# Altium PCB PCB1.PcbDoc (part 1 of 5)
Units mm, origin at the board's own origin, x right, y up, seen from the top; angles counter-clockwise.
Board outline 183.9 x 124.16 mm, 2 copper layers (Top Layer, Bottom Layer); 299 components, 222 nets, 3052 pads, 94 vias.
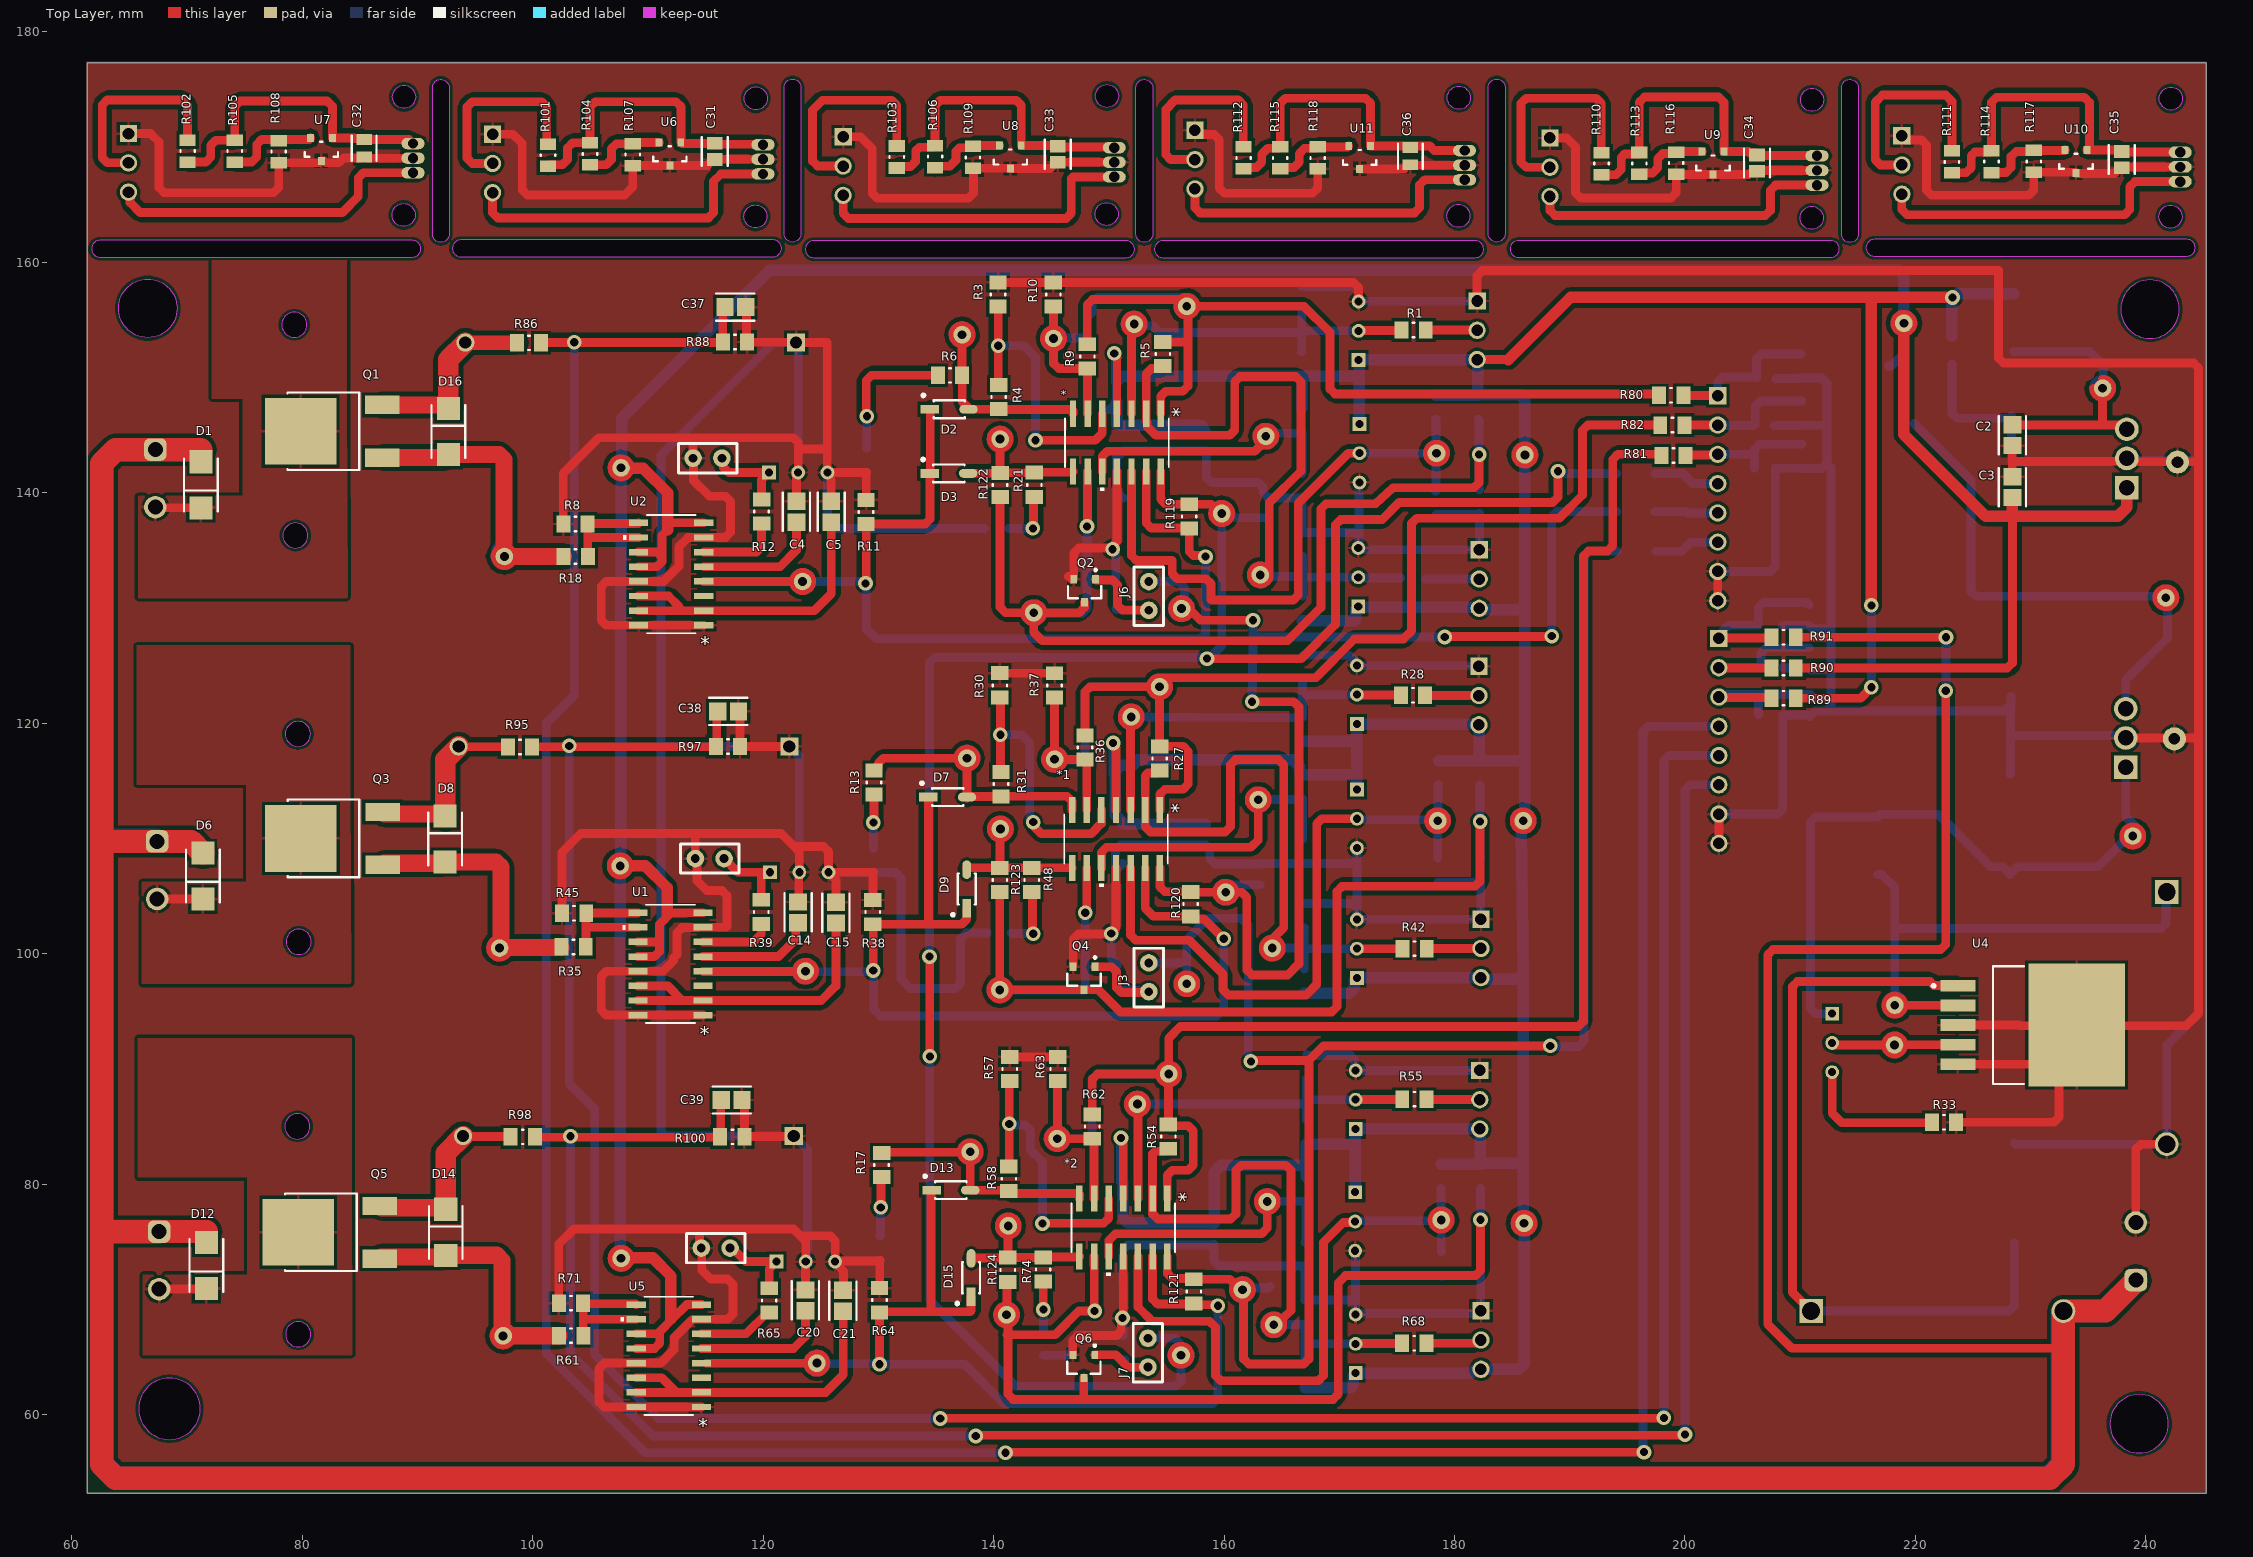
[diagram p0: Top Layer view]
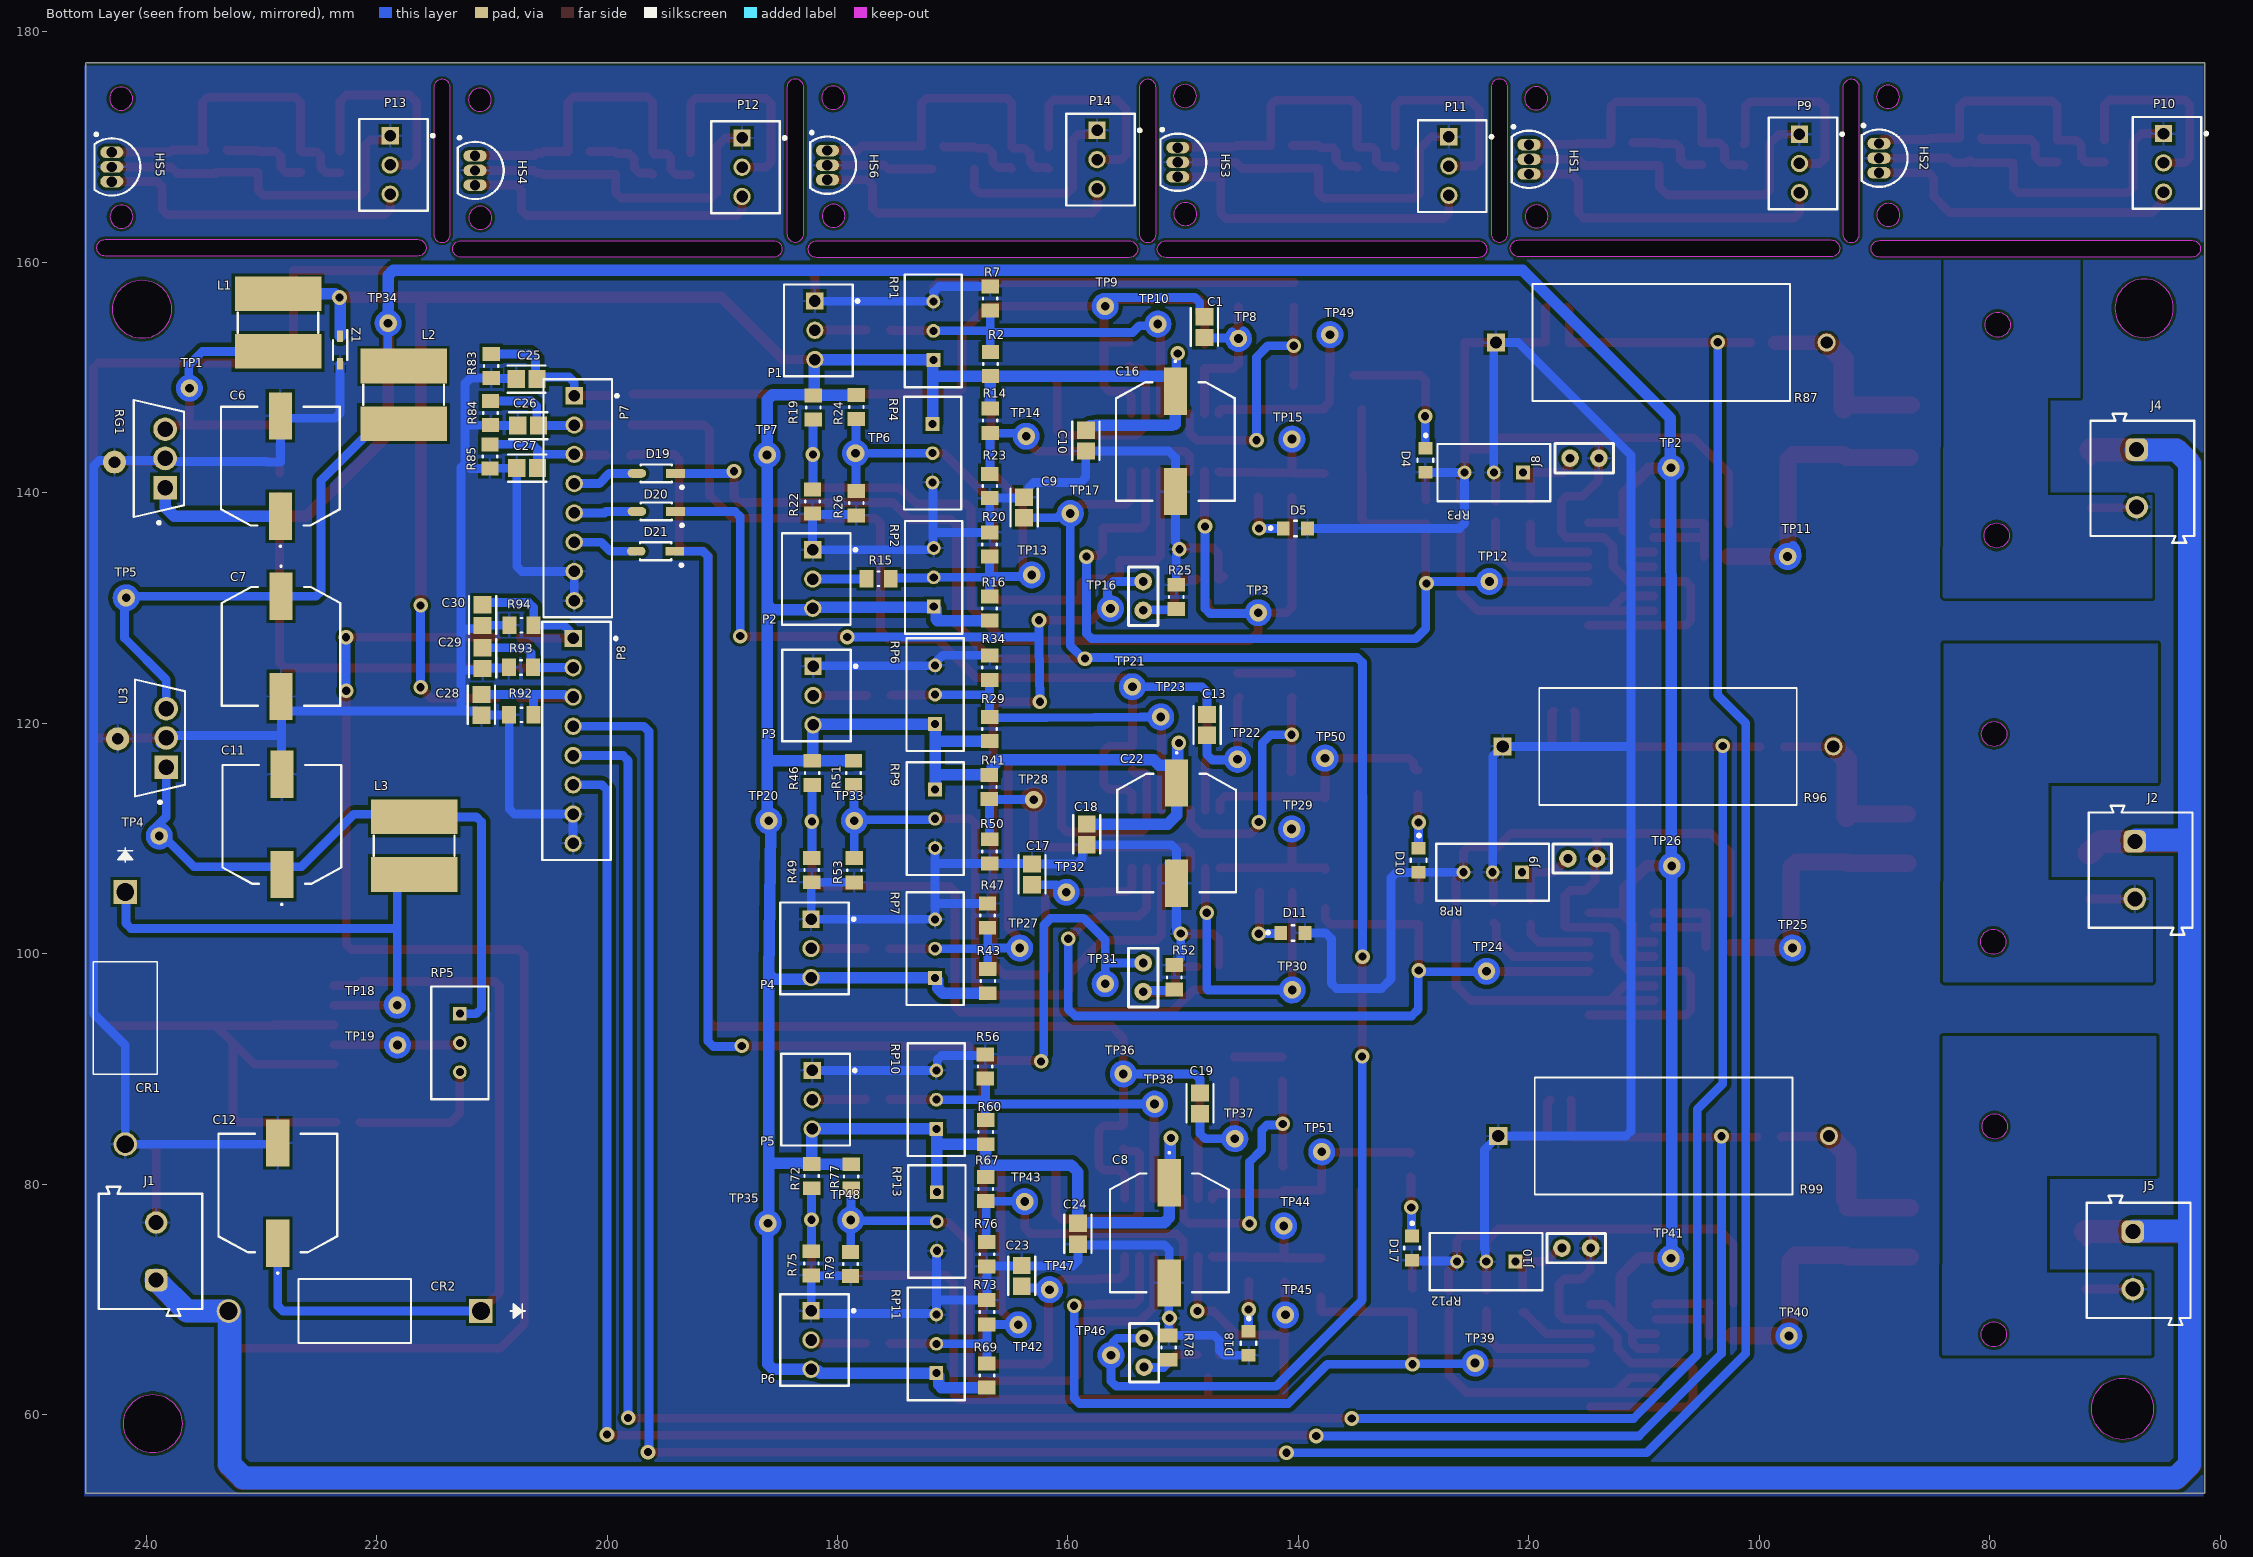
[diagram p1: Bottom Layer view, seen from below]
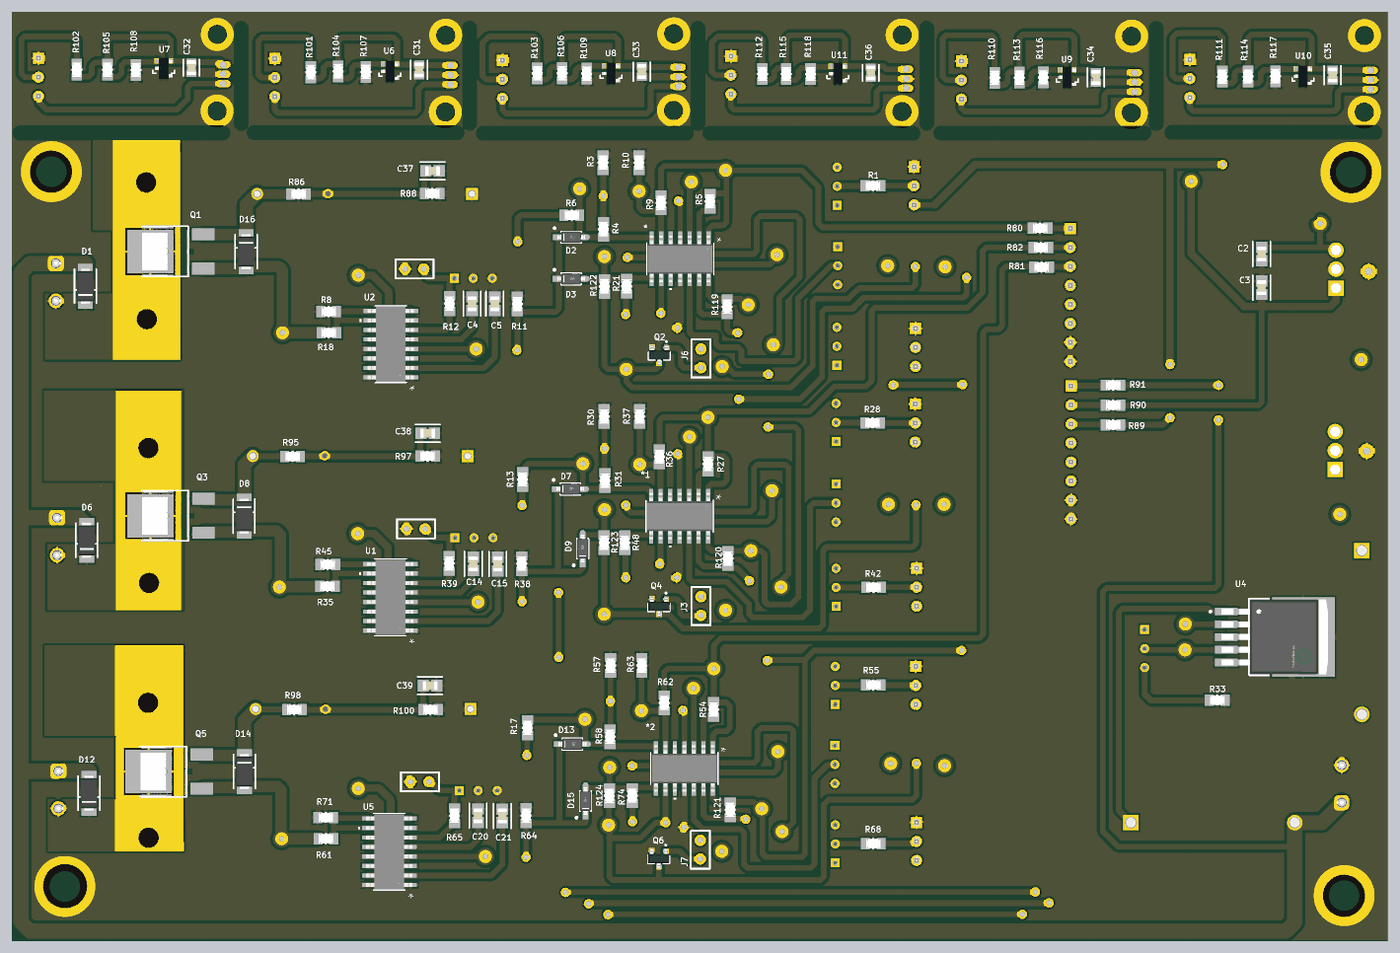
[diagram p6: 3D render of the assembled board from above, using the file's embedded part models]
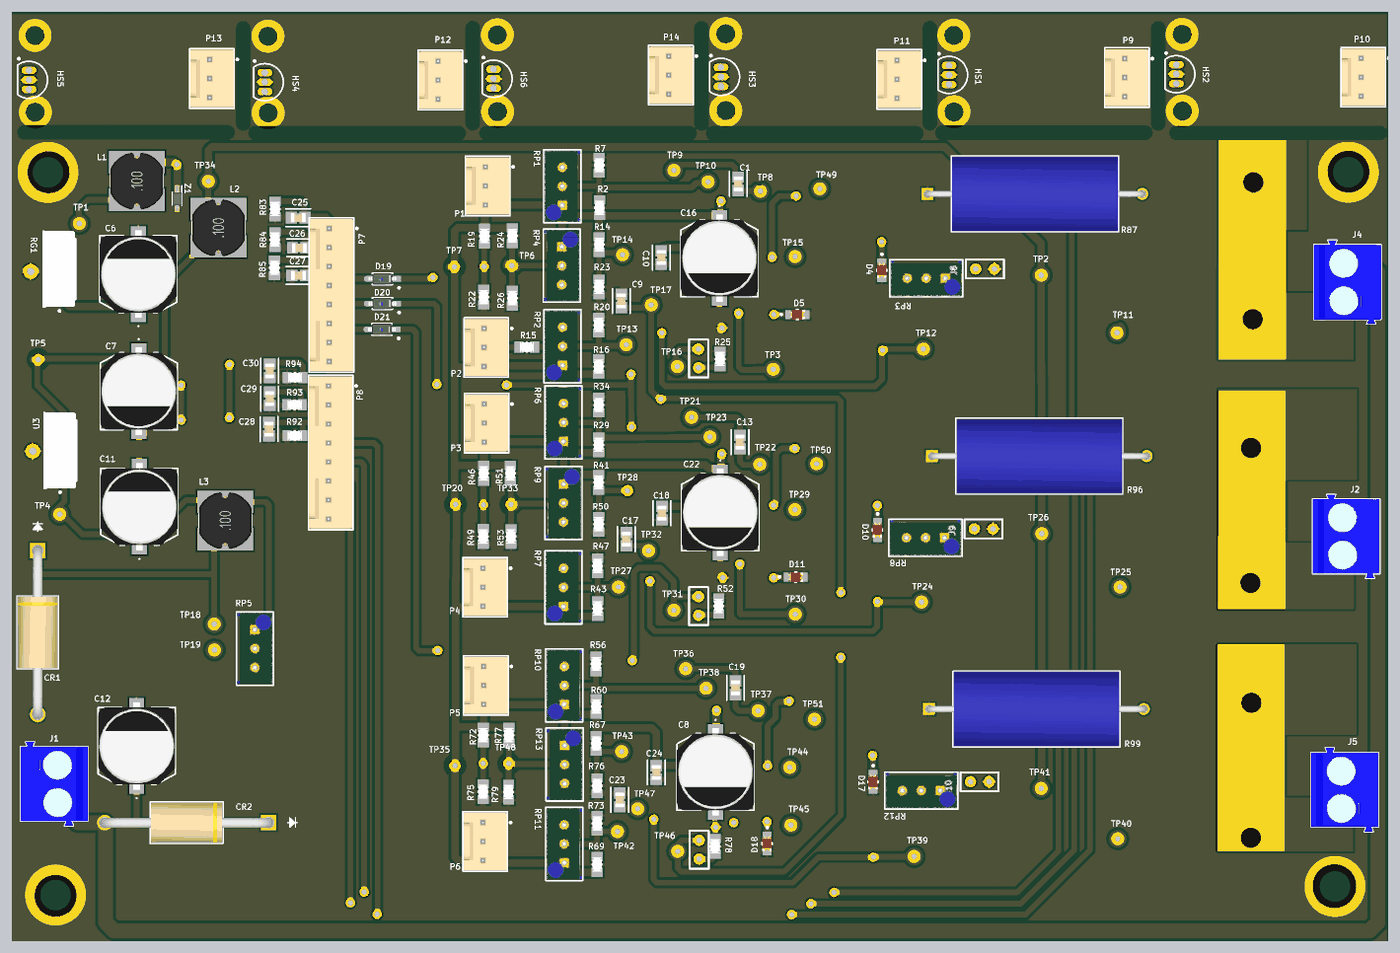
[diagram p7: 3D render of the assembled board from below, using the file's embedded part models]

## Layer stack, top to bottom
Top Solder: solder mask 0.0102, Solder Resist, Dk 3.5
Top Layer: signal copper 0.0356
Dielectric 1: dielectric 0.32, FR-4, Dk 4.8
Bottom Layer: signal copper 0.0356
Bottom Solder: solder mask 0.0102, Solder Resist, Dk 3.5

## Board outline
61.341,53.162 61.341,177.317 245.237,177.317 245.237,53.162
cut-out: 78.315,136.288 ccw(c79.407,136.288) 79.407,135.196 ccw(c79.407,136.288) 80.5,136.288 ccw(c79.407,136.288) 79.407,137.381 ccw(c79.407,136.288)
cut-out: 78.221,154.578 ccw(c79.314,154.578) 79.314,153.486 ccw(c79.314,154.578) 80.406,154.578 ccw(c79.314,154.578) 79.314,155.671 ccw(c79.314,154.578)
cut-out: 78.606,101.027 ccw(c79.699,101.027) 79.699,99.935 ccw(c79.699,101.027) 80.791,101.027 ccw(c79.699,101.027) 79.699,102.12 ccw(c79.699,101.027)
cut-out: 78.534,119.069 ccw(c79.626,119.069) 79.626,117.977 ccw(c79.626,119.069) 80.719,119.069 ccw(c79.626,119.069) 79.626,120.162 ccw(c79.626,119.069)
cut-out: 78.483,85.008 ccw(c79.576,85.008) 79.576,83.915 ccw(c79.576,85.008) 80.668,85.008 ccw(c79.576,85.008) 79.576,86.1 ccw(c79.576,85.008)
cut-out: 88.829,173.357 cw(c88.829,174.357) 87.829,174.357 cw(c88.829,174.357) 88.829,175.357 cw(c88.829,174.357) 89.829,174.357 cw(c88.829,174.357)
cut-out: 242.138,162.957 cw(c242.138,163.957) 241.138,163.957 cw(c242.138,163.957) 242.138,164.957 cw(c242.138,163.957) 243.138,163.957 cw(c242.138,163.957)
cut-out: 242.169,173.205 cw(c242.169,174.205) 241.169,174.205 cw(c242.169,174.205) 242.169,175.205 cw(c242.169,174.205) 243.169,174.205 cw(c242.169,174.205)
cut-out: 210.998,162.855 cw(c210.998,163.855) 209.998,163.855 cw(c210.998,163.855) 210.998,164.855 cw(c210.998,163.855) 211.998,163.855 cw(c210.998,163.855)
cut-out: 211.029,173.103 cw(c211.029,174.103) 210.029,174.103 cw(c211.029,174.103) 211.029,175.103 cw(c211.029,174.103) 212.029,174.103 cw(c211.029,174.103)
cut-out: 180.34,163.033 cw(c180.34,164.033) 179.34,164.033 cw(c180.34,164.033) 180.34,165.033 cw(c180.34,164.033) 181.34,164.033 cw(c180.34,164.033)
cut-out: 180.371,173.281 cw(c180.371,174.281) 179.371,174.281 cw(c180.371,174.281) 180.371,175.281 cw(c180.371,174.281) 181.371,174.281 cw(c180.371,174.281)
cut-out: 149.809,163.186 cw(c149.809,164.186) 148.809,164.186 cw(c149.809,164.186) 149.809,165.186 cw(c149.809,164.186) 150.809,164.186 cw(c149.809,164.186)
cut-out: 149.84,173.433 cw(c149.84,174.433) 148.84,174.433 cw(c149.84,174.433) 149.84,175.433 cw(c149.84,174.433) 150.84,174.433 cw(c149.84,174.433)
cut-out: 119.329,162.982 cw(c119.329,163.982) 118.329,163.982 cw(c119.329,163.982) 119.329,164.982 cw(c119.329,163.982) 120.329,163.982 cw(c119.329,163.982)
cut-out: 119.36,173.23 cw(c119.36,174.23) 118.36,174.23 cw(c119.36,174.23) 119.36,175.23 cw(c119.36,174.23) 120.36,174.23 cw(c119.36,174.23)
cut-out: 124.378,160.414 151.511,160.414 ccw(c151.511,161.138) 151.511,161.861 124.381,161.861 ccw(c124.378,161.138)
cut-out: 216.428,160.541 243.561,160.541 ccw(c243.561,161.265) 243.561,161.988 216.43,161.988 ccw(c216.428,161.265)
cut-out: 185.541,160.44 212.674,160.44 ccw(c212.674,161.163) 212.674,161.886 185.544,161.886 ccw(c185.541,161.163)
cut-out: 154.68,160.414 181.813,160.414 ccw(c181.813,161.138) 181.813,161.861 154.683,161.861 ccw(c154.68,161.138)
cut-out: 93.746,160.491 120.879,160.491 ccw(c120.879,161.214) 120.879,161.937 93.748,161.937 ccw(c93.746,161.214)
cut-out: 62.433,160.453 89.566,160.453 ccw(c89.566,161.176) 89.566,161.899 62.435,161.899 ccw(c62.433,161.176)
cut-out: 88.798,163.109 cw(c88.798,164.109) 87.798,164.109 cw(c88.798,164.109) 88.798,165.109 cw(c88.798,164.109) 89.798,164.109 cw(c88.798,164.109)
cut-out: 213.594,162.453 213.593,175.159 cw(c214.316,175.159) 215.039,175.157 215.041,162.453 cw(c214.317,162.453)
cut-out: 182.936,162.479 182.935,175.184 cw(c183.658,175.184) 184.382,175.182 184.383,162.479 cw(c183.66,162.479)
cut-out: 152.355,162.453 152.354,175.159 cw(c153.077,175.159) 153.8,175.157 153.801,162.453 cw(c153.078,162.453)
cut-out: 121.829,162.479 121.828,175.184 cw(c122.551,175.184) 123.274,175.182 123.275,162.479 cw(c122.552,162.479)
cut-out: 91.306,162.453 91.305,175.159 cw(c92.028,175.159) 92.751,175.157 92.752,162.453 cw(c92.029,162.453)
cut-out: 236.88,59.207 ccw(c239.42,59.207) 239.42,56.667 ccw(c239.42,59.207) 241.96,59.207 ccw(c239.42,59.207) 239.42,61.747 ccw(c239.42,59.207)
cut-out: 237.82,155.931 ccw(c240.36,155.931) 240.36,153.391 ccw(c240.36,155.931) 242.9,155.931 ccw(c240.36,155.931) 240.36,158.471 ccw(c240.36,155.931)
cut-out: 78.555,66.966 ccw(c79.648,66.966) 79.648,65.874 ccw(c79.648,66.966) 80.74,66.966 ccw(c79.648,66.966) 79.648,68.059 ccw(c79.648,66.966)
cut-out: 66.599,153.467 cw(c66.599,156.007) 64.059,156.007 cw(c66.599,156.007) 66.599,158.547 cw(c66.599,156.007) 69.139,156.007 cw(c66.599,156.007)
cut-out: 65.808,60.503 ccw(c68.478,60.503) 68.478,57.833 ccw(c68.478,60.503) 71.148,60.503 ccw(c68.478,60.503) 68.478,63.173 ccw(c68.478,60.503)

## Design rules (kind name [scope] priority, off if disabled: settings)
Clearance GIroAMp [All] p1: gap=0.254 ignorepadtopadclearanceinfootprint=FALSE except(0: Arc-Hole Track-Hole SMDPad-Hole THPad-Hole Via-Hole Fill-Hole Poly-Hole Region-Hole Text-Hole; 0.33: Arc-THPad Track-THPad; 0.381: Arc-Via Arc-Fill Arc-Poly Arc-Region Track-Via Track-Fill Track-Poly Track-Region; 0.508: Arc-Arc Arc-Track Track-Track)
Clearance [All] p2: gap=0.254 ignorepadtopadclearanceinfootprint=FALSE except(0: Arc-Hole Track-Hole SMDPad-Hole THPad-Hole Via-Hole Fill-Hole Poly-Hole Region-Hole Text-Hole; 0.33: Track-THPad)
PolygonConnect [All] p1: connectstyle=Relief reliefconductorwidth=0.254 reliefentries=4 polygonreliefangle="90 Angle" airgapwidth=0.254
RoomDefinition levit_0.1 [InComponentClass('levit_0.1 ')] p1: confinementstyle=ConfineIn formatcopy=TRUE lockcomponents=FALSE outline 51.46,186.792 255.372,186.792 255.372,43.231 51.46,43.231
RoutingVias [All] p1: holewidth=0.711 width=1.27 viastyle="Through Hole" minholewidth=0.711 minwidth=1.27 maxholewidth=0.711 maxwidth=1.27
SolderMaskExpansion [All] p1: expansion=0.102 istentingtop=FALSE
UnRoutedNet [All] p1: checkbadconnections=TRUE
Width [All] p1: maxlimit=2.286 minlimit=0.508 preferedwidth=0.762 minimp=50.000000 maximp=50.000000 favimp=50.000000
29 further rules are at their usual default settings.

## Classes and differential pairs
component class Dual_chanel: L? RG?

## Components (designator, comment, footprint, x,y, rotation, side; value= is the part's Value field where it differs from the comment)
* "LM324AD_SOIC14" D14-M 150.698,144.348 r270 top
*1 "LM324AD_SOIC14" D14-M 150.622,109.956 r270 top
*2 "LM324AD_SOIC14" D14-M 151.257,76.226 r270 top
C1 "1u" KEMET_C0805C-DN_IPC_A 148.158,154.381 r270 bottom
C2 "10n" KEMET_C0805C-DN_IPC_A 228.422,144.997 r270 top value=10uF
C3 "100n" KEMET_C0805C-DN_IPC_A 228.422,140.487 r90 top value=10uF
C4 "UWX1E101MCL1GB" KEMET_C0805C-DN_IPC_A 122.885,138.354 r270 top
C5 "UWX1E101MCL1GB" KEMET_C0805C-DN_IPC_A 125.908,138.354 r90 top
C6 "EEE1HA101AP" EEEFK1V331P 228.346,142.316 r180 bottom
C7 "EEE1HA101AP" EEEFK1V331P 228.295,126.67 r0 bottom
C8 "EEE1HA101AP" EEEFK1V331P 151.206,75.775 r0 bottom
C9 "1u" KEMET_C0805C-DN_IPC_A 163.805,138.723 r270 bottom
C10 "1u" KEMET_C0805C-DN_IPC_A 158.445,144.526 r90 bottom
C11 "EEE1HA101AP" EEEFK1V331P 228.219,111.22 r180 bottom
C12 "EEE1HA101AP" EEEFK1V331P 228.575,79.229 r180 bottom
C13 "1u" KEMET_C0805C-DN_IPC_A 147.93,119.849 r270 bottom
C14 "UWX1E101MCL1GB" KEMET_C0805C-DN_IPC_A 123.038,103.581 r270 top
C15 "UWX1E101MCL1GB" KEMET_C0805C-DN_IPC_A 126.314,103.556 r90 top
C16 "EEE1HA101AP" EEEFK1V331P 150.673,144.45 r0 bottom
C17 "1u" KEMET_C0805C-DN_IPC_A 163.119,106.883 r270 bottom
C18 "1u" KEMET_C0805C-DN_IPC_A 158.369,110.349 r90 bottom
C19 "1u" KEMET_C0805C-DN_IPC_A 148.539,87.007 r270 bottom
C20 "UWX1E101MCL1GB" KEMET_C0805C-DN_IPC_A 123.673,69.914 r270 top
C21 "UWX1E101MCL1GB" KEMET_C0805C-DN_IPC_A 126.924,69.875 r90 top
C22 "EEE1HA101AP" EEEFK1V331P 150.571,110.471 r0 bottom
C23 "1u" KEMET_C0805C-DN_IPC_A 164.008,72.034 r270 bottom
C24 "1u" KEMET_C0805C-DN_IPC_A 159.131,75.692 r90 bottom
C25 "100pF" KEMET_C0805C-DN_IPC_A 206.985,149.86 r180 bottom
C26 "100pF" KEMET_C0805C-DN_IPC_A 206.846,145.821 r180 bottom
C27 "100pF" KEMET_C0805C-DN_IPC_A 206.934,142.138 r180 bottom
C28 "100pF" KEMET_C0805C-DN_IPC_A 210.896,121.59 r90 bottom
C29 "100pF" KEMET_C0805C-DN_IPC_A 210.795,125.654 r90 bottom
C30 "100pF" KEMET_C0805C-DN_IPC_A 210.795,129.388 r90 bottom
C31 "0.1uF" KEMET_C0805C-DN_IPC_C 115.799,169.621 r90 top
C32 "0.1uF" KEMET_C0805C-DN_MFG 85.369,169.901 r90 top
C33 "0.1uF" KEMET_C0805C-DN_IPC_C 145.567,169.378 r90 top
C34 "0.1uF" KEMET_C0805C-DN_IPC_C 206.248,168.605 r90 top
C35 "0.1uF" KEMET_C0805C-DN_IPC_C 237.896,168.91 r90 top
C36 "0.1uF" KEMET_C0805C-DN_MFG 176.174,169.215 r90 top
C37 "100pF" KEMET_C0805C-DN_IPC_A 117.588,156.108 r180 top
C38 "100pF" KEMET_C0805C-DN_IPC_A 116.955,121.031 r180 top
C39 "100pF" KEMET_C0805C-DN_IPC_A 117.26,87.3 r180 top
CR1 "1N5822RL" DO-201AD_STM 241.808,105.359 r270 bottom
CR2 "1N5822RL" DO-201AD_STM 210.947,68.986 r0 bottom
D1 "SS16" ON_Semi_403D_MFG 71.196,140.691 r90 top
D2 "1N4148W-7-F" Vishay_S8-V-3910_01-001_IPC_A 136.144,147.244 r0 top
D3 "1N4148W-7-F" Vishay_S8-V-3910_01-001_IPC_A 136.119,141.681 r0 top
D4 "LED2" Wurth_Electronics_0_MFG 128.981,142.824 r270 bottom
D5 "LED2" Wurth_Electronics_0_MFG 140.259,136.906 r180 bottom
D6 "SS16" ON_Semi_403D_MFG 71.374,106.731 r90 top
D7 "1N4148W-7-F" Vishay_S8-V-3910_01-001_IPC_A 136.017,113.589 r0 top
D8 "SS16" ON_Semi_403D_MFG 92.405,109.957 r270 top
D9 "1N4148W-7-F" Vishay_S8-V-3910_01-001_IPC_A 137.668,105.613 r90 top
D10 "LED2" Wurth_Electronics_0_MFG 129.565,108.102 r270 bottom
D11 "LED2" Wurth_Electronics_0_MFG 140.479,101.803 r180 bottom
D12 "SS16" ON_Semi_403D_MFG 71.679,72.923 r90 top
D13 "1N4148W-7-F" Vishay_S8-V-3910_01-001_IPC_A 136.297,79.477 r0 top
D14 "SS16" ON_Semi_403D_MFG 92.456,75.819 r270 top
D15 "1N4148W-7-F" Vishay_S8-V-3910_01-001_IPC_A 138.049,71.882 r90 top
D16 "SS16" ON_Semi_403D_MFG 92.685,145.313 r270 top
D17 "LED2" Wurth_Electronics_0_MFG 130.15,74.447 r270 bottom
D18 "LED2" Wurth_Electronics_0_MFG 144.323,66.192 r270 bottom
D19 "1N4148W-7-F" Vishay_S8-V-3910_01-001_IPC_A 195.733,141.681 r0 bottom
D20 "1N4148W-7-F" Vishay_S8-V-3910_01-001_IPC_A 195.733,138.379 r0 bottom
D21 "1N4148W-7-F" Vishay_S8-V-3910_01-001_IPC_A 195.784,134.925 r0 bottom
HS1 "Hall_Sensor" TO-92A 119.99,168.935 r0 bottom
HS2 "Hall_Sensor" TO-92A 89.611,169.037 r0 bottom
HS3 "Hall_Sensor" TO-92A 150.47,168.681 r0 bottom
HS4 "Hall_Sensor" TO-92A 211.455,167.97 r0 bottom
HS5 "Hall_Sensor" TO-92A 242.976,168.275 r0 bottom
HS6 "Hall_Sensor" TO-92A 180.873,168.427 r0 bottom
J1 "691103110003" 691101710002 239.624,74.168 r90 bottom
J2 "691101710002" 691101710002 66.912,107.249 r270 bottom
J3 "Jumper 1x2.54" Jumper_2.54 153.467,99.198 r270 top
J4 "691101710002" 691101710002 66.751,141.249 r270 bottom
J5 "691101710002" 691101710002 67.081,73.381 r270 bottom
J6 "Jumper 1x2.54" Jumper_2.54 153.467,132.294 r270 top
J7 "Jumper 1x2.54" Jumper_2.54 153.391,66.624 r270 top
J8 "Jumper 1x2.54" Jumper_2.54 113.919,143.002 r0 bottom
J9 "Jumper 1x2.54" Jumper_2.54 114.111,108.255 r0 bottom
J10 "Jumper 1x2.54" Jumper_2.54 114.63,74.447 r0 bottom
L1 "7445720" WE-PD2-L 228.549,154.762 r90 bottom
L2 "7445720" WE-PD2-L 217.653,148.503 r90 bottom
L3 "7445720" WE-PD2-L 216.738,109.372 r90 bottom
P1 "61900311121" 61900311121 181.661,154.102 r90 bottom
P2 "61900311121" 61900311121 181.843,132.512 r90 bottom
P3 "61900311121" 61900311121 181.818,122.403 r90 bottom
P4 "61900311121" 61900311121 181.996,100.457 r90 bottom
P5 "61900311121" 61900311121 181.894,87.325 r90 bottom
P6 "61900311121" 61900311121 181.996,66.472 r90 bottom
P7 "61900811121" 61900811121 202.544,139.522 r90 bottom
P8 "61900811121" 61900811121 202.641,118.466 r90 bottom
P9 "61900311121" 61900311121 96.215,168.58 r90 bottom
P10 "61900311121" 61900311121 64.622,168.631 r90 bottom
P11 "61900311121" 61900311121 126.644,168.351 r90 bottom
P12 "61900311121" 61900311121 187.985,168.25 r90 bottom
P13 "61900311121" 61900311121 218.521,168.453 r90 bottom
P14 "61900311121" 61900311121 157.175,168.91 r90 bottom
Q1 "IRLR2905TRPBF" On_Semiconductor_369C_MFG 82.652,145.339 r90 top
Q2 "BC847B,215" BC847B215 147.904,131.496 r180 top
Q3 "IRLR2905TRPBF" On_Semiconductor_369C_MFG 82.673,110.007 r90 top
Q4 "BC847B,215" BC847B215 147.853,97.866 r180 top
Q5 "IRLR2905TRPBF" On_Semiconductor_369C_MFG 82.444,75.819 r90 top
Q6 "BC847B,215" BC847B215 147.828,64.186 r180 top
R1 "50k" Vishay_CRCW0805-e3_IPC_A 176.454,154.127 r180 top
R2 "47k" Vishay_CRCW0805-e3_IPC_A 166.726,151.181 r270 bottom
R3 "1k" Vishay_CRCW0805-e3_IPC_A 140.386,157.201 r90 top
R4 "100k" Vishay_CRCW0805-e3_IPC_A 140.437,148.311 r90 top
R5 "100k" Vishay_CRCW0805-e3_IPC_A 154.686,152.044 r90 top
R6 "1k" Vishay_CRCW0805-e3_IPC_A 136.22,150.19 r0 top
R7 "47k" Vishay_CRCW0805-e3_IPC_A 166.751,156.861 r270 bottom
R8 "100" Vishay_CRCW0805-e3_IPC_A 103.734,134.468 r0 top
R9 "10k" Vishay_CRCW0805-e3_IPC_A 148.133,151.841 r90 top